# KiCad board WavetableController.kicad_pcb

Outline 165.1 x 101.6 mm; copper layers: Top, Bottom. Coordinates in mm from the lower left corner of the outline.
Outline path: 156.55,101.59 157,101.55 157.46,101.5 157.9,101.42 158.34,101.32 158.76,101.19 159.18,101.05 159.59,100.89 159.99,100.71 160.38,100.51 160.76,100.29 161.12,100.06 161.48,99.81 161.82,99.54 162.15,99.26 162.46,98.96 162.76,98.65 163.04,98.32 163.31,97.98 163.56,97.62 163.79,97.26 164.01,96.88 164.21,96.49 164.39,96.09 164.55,95.68 164.69,95.26 164.82,94.84 164.92,94.4 165,93.96 165.05,93.5 165.09,93.05 165.1,92.58 165.1,9.02 165.09,8.55 165.05,8.1 165,7.64 164.92,7.2 164.82,6.76 164.69,6.34 164.55,5.92 164.39,5.51 164.21,5.11 164.01,4.72 163.79,4.34 163.56,3.98 163.31,3.62 163.04,3.28 162.76,2.95 162.46,2.64 162.15,2.34 161.82,2.06 161.48,1.79 161.12,1.54 160.76,1.31 160.38,1.09 159.99,0.89 159.59,0.71 159.18,0.55 158.76,0.41 158.34,0.28 157.9,0.18 157.46,0.1 157,0.05 156.55,0.01 156.08,0 9.02,0 8.55,0.01 8.1,0.05 7.64,0.1 7.2,0.18 6.76,0.28 6.34,0.41 5.92,0.55 5.51,0.71 5.11,0.89 4.72,1.09 4.34,1.31 3.98,1.54 3.62,1.79 3.28,2.06 2.95,2.34 2.64,2.64 2.34,2.95 2.06,3.28 1.79,3.62 1.54,3.98 1.31,4.34 1.09,4.72 0.89,5.11 0.71,5.51 0.55,5.92 0.41,6.34 0.28,6.76 0.18,7.2 0.1,7.64 0.05,8.1 0.01,8.55 0,9.02 0,92.58 0.01,93.05 0.05,93.5 0.1,93.96 0.18,94.4 0.28,94.84 0.41,95.26 0.55,95.68 0.71,96.09 0.89,96.49 1.09,96.88 1.31,97.26 1.54,97.62 1.79,97.98 2.06,98.32 2.34,98.65 2.64,98.96 2.95,99.26 3.28,99.54 3.62,99.81 3.98,100.06 4.34,100.29 4.72,100.51 5.11,100.71 5.51,100.89 5.92,101.05 6.34,101.19 6.76,101.32 7.2,101.42 7.64,101.5 8.1,101.55 8.55,101.59 9.02,101.6 156.08,101.6 closed
Stack: Top 0.035mm / dielectric 1.51mm FR4 er 4.5 / Bottom 0.035mm

## Placement (name value [footprint] x y rotation side)
A1  Electrosmith_Daisy_Seed_Rev4  [Electrosmith_Daisy_Seed_Cuz]  25.88 17.19 270 bottom
C1  100NF  [C_0603_1608Metric]  119.16 68.47 270 bottom
C2  470NF  [C_0603_1608Metric]  122.92 10.45 180 bottom
C3  470NF  [C_0603_1608Metric]  124.96 6.03 0 bottom
C4  100NF  [C_0603_1608Metric]  122.92 8.95 0 bottom
C5  100NF  [C_0603_1608Metric]  112.26 4.4 90 bottom
C6  100UF  [CP_Elec_6.3x7.7]  147.17 22.75 180 bottom
C7  100UF  [CP_Elec_6.3x7.7]  157.12 22.75 180 bottom
C8  100NF  [C_0603_1608Metric]  108.92 9.7 180 bottom
C9  2.2UF  [C_0603_1608Metric]  106.42 6.45 90 bottom
C10  470NF  [C_0603_1608Metric]  96.5 7.81 0 bottom
C11  100NF  [C_0603_1608Metric]  94.85 6.21 0 bottom
C12  4.7UF  [C_0603_1608Metric]  104.17 4.7 180 bottom
C13  2.2UF  [C_0603_1608Metric]  108.92 8.2 180 bottom
C14  100NF  [C_0603_1608Metric]  55.67 74.7 0 bottom
C15  100UF  [CP_Elec_6.3x7.7]  42.42 70.2 180 bottom
C16  100NF  [C_0603_1608Metric]  44.42 64.7 180 bottom
C17  100UF  [CP_Elec_6.3x7.7]  33.67 57.95 180 bottom
C18  100UF  [CP_Elec_6.3x7.7]  31.92 46.95 180 bottom
C19  100UF  [CP_Elec_6.3x7.7]  53.17 58.2 0 bottom
C20  100UF  [CP_Elec_6.3x7.7]  60.92 52.45 0 bottom
C21  100UF  [CP_Elec_6.3x7.7]  58.17 39.7 0 bottom
C22  100UF  [CP_Elec_6.3x7.7]  43.87 43.2 180 bottom
C23  100NF  [C_Axial_L3.8mm_D2.6mm_P7.50mm_Horizontal]  109.67 76.45 180 bottom
C24  100UF  [CP_Radial_D6.3mm_P2.50mm]  102.17 72.45 270 bottom
C25  10UF  [C_0805_2012Metric_Pad1.18x1.45mm_HandSolder]  103.92 34.7 180 bottom
C26  22UF  [C_0805_2012Metric_Pad1.18x1.45mm_HandSolder]  103.92 46.2 180 bottom
D1  D_Schottky  [D_SOD-323]  126.47 84.77 0 bottom
D2  D_Schottky  [D_SOD-323]  54.92 84.7 90 bottom
D3  D_Schottky  [D_SOD-323]  52.17 81.95 180 bottom
D4  D_Schottky  [D_SOD-323]  50.17 77.95 180 bottom
D5  D_Schottky  [D_SOD-323]  52.42 84.65 270 bottom
D6  D_Schottky  [D_SOD-323]  44.17 62.45 0 bottom
ENCL1  RotaryEncoder_Switch  [RotaryEncoder_Alps_Vertical_H20mm]  18.42 62.95 90 top
ENCR1  RotaryEncoder_Switch  [RotaryEncoder_Alps_Vertical_H20mm]  142.17 62.95 90 top
FB2  FerriteBead  [D_0603_1608Metric]  108.17 5.95 90 bottom
FB3  FerriteBead  [D_0603_1608Metric]  52.42 74.7 180 bottom
FB4  FerriteBead  [D_0603_1608Metric]  49.17 74.7 180 bottom
FB5  FerriteBead  [D_0603_1608Metric]  45.92 74.7 180 bottom
FB6  FerriteBead  [D_0603_1608Metric]  40.63 62.45 180 bottom
FB7  FerriteBead  [D_0603_1608Metric]  108.38 34.7 180 bottom
Headphones1  B10k Dual  [DualGang_Headphone_PTD902-2015K-B103]  135.17 16.2 90 bottom
J1  Barrel_Jack  [Retroactive_SMDBarrelJack_CLIFF]  60.32 94.05 270 bottom
J3  MIDI OUTPUT  [Jack_3.5mm_CUI_RetroactiveCustom]  105.92 97.45 0 bottom
J4  AUDIO INPUT  [Jack_3.5mm_CUI_RetroactiveCustom]  90.77 97.45 0 bottom
J5  AUDIO OUTPUT  [Jack_3.5mm_CUI_RetroactiveCustom]  75.82 97.4 0 bottom
J6  MIDI INPUT  [Jack_3.5mm_CUI_RetroactiveCustom]  120.92 97.45 0 bottom
J7  PHONES  [Jack_3.5mm_CUI_RetroactiveCustom]  149.42 5.7 180 bottom
J8  NHD-2.7-12864WDW3  [Newhaven2.7_OLED]  106.68 81.4 270 top
L1  2.2UH DFE201610P-2R2M=P2  [L_0805_2012Metric]  109.67 43.2 180 bottom
LED1  CLS6B-FKW  [LED_RGB_5050-6_Retroactive Pin Out]  57.42 25.95 0 top
LED2  CLS6B-FKW  [LED_RGB_5050-6_Retroactive Pin Out]  107.43 26 0 top
MK1  Microphone_Condenser  [POM-2244P-C3310-2-R]  81.38 26.7 0 top
P1  Micro_SD_Card_Det2  [microSD_HC_Hirose_DM3AT-SF-PEJM5]  9.14 29.73 0 bottom
P2  USB_C31-S-RA-CS2-SMT-BK-T/R  [USB_C_Receptacle_GCT_USB4105-xx-A_16P_TopMnt_Horizontal]  34.17 98.62 0 bottom
Q1  MMBT3904  [SOT-23]  41.92 37.45 0 bottom
Q2  MMBT3904  [SOT-23]  51.12 37.89 0 bottom
Q3  MMBT3904  [SOT-23]  67.62 26.89 90 bottom
Q4  MMBT3904  [SOT-23]  83.17 39.95 0 bottom
Q5  MMBT3904  [SOT-23]  80.11 34.4 0 bottom
Q6  MMBT3904  [SOT-23]  75.11 30 0 bottom
R1  10R  [R_0603_1608Metric]  110.99 87.83 90 bottom
R2  0R  [R_0603_1608Metric]  116.72 81.16 0 bottom
R3  0R  [R_0603_1608Metric]  126.72 86.67 0 bottom
R4  33R  [R_1210_3225Metric_Pad1.30x2.65mm_HandSolder]  113.92 67.95 180 bottom
R5  220R  [R_0603_1608Metric]  124.61 81.13 0 bottom
R6  270R  [R_0603_1608Metric]  117.42 70.7 180 bottom
R7  47K  [R_0603_1608Metric]  4.17 13.7 90 bottom
R8  47K  [R_0603_1608Metric]  5.67 13.7 90 bottom
R9  47K  [R_0603_1608Metric]  9.67 17.62 90 bottom
R10  47K  [R_0603_1608Metric]  11.17 17.62 90 bottom
R11  47K  [R_0603_1608Metric]  12.67 17.7 90 bottom
R12  22K  [R_0603_1608Metric]  115.74 10.43 180 bottom
R13  22K  [R_0603_1608Metric]  124.92 4.45 180 bottom
R14  33K  [R_0603_1608Metric]  114.92 5.7 270 bottom
R15  33K  [R_0603_1608Metric]  124.92 2.95 0 bottom
R16  5K1  [R_0603_1608Metric]  32.92 90.45 270 bottom
R17  5K1  [R_0603_1608Metric]  35.92 90.62 270 bottom
R18  100K  [R_0603_1608Metric]  96.56 12.92 0 bottom
R19  150K  [R_0603_1608Metric]  96.58 11.42 0 bottom
R20  2K2  [R_0603_1608Metric]  94.92 9.7 0 bottom
R21  300R  [R_0603_1608Metric]  63.67 32.2 90 bottom
R22  10k  [R_0603_1608Metric]  145.34 16.2 0 bottom
R23  10k  [R_0603_1608Metric]  155.17 16.2 180 bottom
R24  300R  [R_0603_1608Metric]  59.92 32.2 90 bottom
R25  300R  [R_0603_1608Metric]  56.17 32.2 90 bottom
R26  300R  [R_0603_1608Metric]  112.92 31.95 90 bottom
R27  300R  [R_0603_1608Metric]  109.17 31.95 90 bottom
R28  300R  [R_0603_1608Metric]  106.42 31.95 90 bottom
R29  3.3R  [R_2512_6332Metric_Pad1.40x3.35mm_HandSolder]  34.17 65.95 180 bottom
R30  3.3R  [R_2512_6332Metric_Pad1.40x3.35mm_HandSolder]  40.92 51.45 180 bottom
R31  3.3R  [R_2512_6332Metric_Pad1.40x3.35mm_HandSolder]  51.42 52.45 0 bottom
R32  3.3R  [R_2512_6332Metric_Pad1.40x3.35mm_HandSolder]  51.42 48.2 180 bottom
R33  100K  [R_0603_1608Metric]  106.17 43.2 0 bottom
R35  1K  [R_0603_1608Metric]  72.67 25.12 90 bottom
R36  1K  [R_0603_1608Metric]  70.42 22.95 90 bottom
R37  1K  [R_0603_1608Metric]  68.17 20.95 90 bottom
R38  1K  [R_0603_1608Metric]  74.92 24.37 90 bottom
R39  1K  [R_0603_1608Metric]  76.92 24.45 90 bottom
R40  1K  [R_0603_1608Metric]  78.92 24.45 90 bottom
SW1  Power ON/OFF  [DigiKey_1101A4VQEA_SPDT_Vertical_SlideSwitch]  46.14 99.94 0 bottom
TAC_SHIFT_L1  SW_Push  [Retroactive_90DegSW_Tactile]  25.17 96.52 180 bottom
TAC_SHIFT_R1  SW_Push  [Retroactive_90DegSW_Tactile]  144.92 96.77 180 bottom
TAC_SWITCH_1  SW_MEC_5E  [Retroactive_THT_TACTSW_6mm_H9.5mm]  37.92 30.95 0 top
TAC_SWITCH_2  SW_MEC_5E  [Retroactive_THT_TACTSW_6mm_H9.5mm]  120.92 30.95 0 top
U1  H11L1  [SOP-6_3.8x4.1mm_P2.54mm(RetroactiveCustom)]  121.92 75.45 180 bottom
U2  USBLC6-2P6  [SOT-666]  33.67 85.95 180 bottom
U3  TPA6110A2DGN  [HVSSOP-8-1EP_3x3mm_P0.65mm_EP1.57x1.89mm]  120.06 3.92 180 bottom
U4  MAX9814  [DFN-14-1EP_3x3mm_P0.4mm_EP1.78x2.35mm]  101.12 7.42 180 bottom
U6  TPS62172DSG  [WSON-8-1EP_2x2mm_P0.5mm_EP0.9x1.6mm_ThermalVias]  107.31 39.74 90 bottom

## Library data of the parts
A1 = -: Datasheet: https://static1.squarespace.com/static/58d03fdc1b10e3bf442567b8/t/6227e6236f02fb68d1577146/1646781988478/Daisy_Seed_datasheet_v1.0.3.pdf; Description: Daisy is an embedded platform for music.; ki_fp_filters: Electrosmith*Daisy*Seed*
C1-C5 C8-C14 C16 C23 C25 C26 = -: Description: Unpolarized capacitor; ki_fp_filters: C_*
C6 C7 C15 C17-C22 C24 = -: Description: capacitor, US symbol; ki_fp_filters: C_*
D1-D6 = -: Description: Schottky diode; ki_fp_filters: TO-???* *_Diode_* *SingleDiode* D_*
ENCL1 ENCR1 = -: Description: Rotary encoder, dual channel, incremental quadrate outputs, with switch; ki_fp_filters: RotaryEncoder*Switch*
FB2-FB7 = -: Description: Ferrite bead; ki_fp_filters: Inductor_* L_* *Ferrite*
Headphones1 = -: Description: Dual potentiometer; ki_fp_filters: Potentiometer*
J1 = -: Description: DC Barrel Jack; ki_fp_filters: BarrelJack*
J3-J7 = -: Description: Audio Jack, 3 Poles (Stereo / TRS); ki_fp_filters: Jack*
J8 = -: Description: Generic connector, single row, 01x20, script generated; ki_fp_filters: Connector*:*_1x??_*
L1 = -: Description: Inductor with iron core; ki_fp_filters: Choke_* *Coil* Inductor_* L_*
LED1 LED2 = -: Datasheet: https://www.cree.com/led-components/media/documents/CLS6B-FKW.pdf; Description: Cree PLCC6 3 in 1 SMD LED, PLCC-6; ki_fp_filters: LED*Cree*PLCC*4.7x1.5mm*
MK1 = -: Description: Condenser microphone
P1 = -: Datasheet: https://www.hirose.com/en/product/document?clcode=&productname=&series=DM3&documenttype=Catalog&lang=en&documentid=D49662_en; Description: Micro SD Card Socket with two card detection pins; ki_fp_filters: microSD*
P2 = -: Datasheet: https://www.usb.org/sites/default/files/documents/usb_type-c.zip; Description: USB Full-Featured Type-C Receptacle connector; ki_fp_filters: USB*C*Receptacle*
Q1-Q6 = -: Datasheet: https://www.onsemi.com/pdf/datasheet/pzt3904-d.pdf; Description: 0.2A Ic, 40V Vce, Small Signal NPN Transistor, SOT-23; ki_fp_filters: SOT?23*
R1-R33 R35-R40 = -: Description: Resistor; ki_fp_filters: R_*
SW1 = -: Description: Single Pole Single Throw (SPST) switch
TAC_SHIFT_L1 TAC_SHIFT_R1 = -: Description: Push button switch, generic, two pins
TAC_SWITCH_1 TAC_SWITCH_2 = -: Datasheet: http://www.apem.com/int/index.php?controller=attachment&id_attachment=1371; Description: MEC 5E single pole normally-open tactile switch; ki_fp_filters: SW*MEC*5G*
U1 = -: Datasheet: https://www.onsemi.com/pub/Collateral/H11L3M-D.PDF; Description: Schmitt Trigger Output Optocoupler, High Speed, DIP-6, 1.6mA turn on threshold; ki_fp_filters: DIP*W7.62mm* DIP*W10.16mm* SMDIP*W9.53mm*
U2 = -: Datasheet: https://www.st.com/resource/en/datasheet/usblc6-2.pdf; Description: Very low capacitance ESD protection diode, 2 data-line, SOT-666; ki_fp_filters: SOT?666*
U3 = -: Datasheet: https://www.ti.com/lit/ds/symlink/tpa6110a2.pdf; Description: 150-mW Stereo Audio Power Amplifier, HVSSOP; ki_fp_filters: HVSSOP*3x3mm*P0.65mm*
U4 = -: Datasheet: https://datasheets.maximintegrated.com/en/ds/MAX9814.pdf; Description: Microphone Amplifier with AGC and Low-Noise Microphone Bias, TDFN-14; ki_fp_filters: *DFN*EP*3x3mm*P0.4mm*
U6 = -: Datasheet: http://www.ti.com/lit/ds/symlink/tps62170.pdf; Description: 500mA Step-Down Converter with DCS-Control, fixed 3.3V output, 3-17V input voltage, WSON-8; ki_fp_filters: WSON*EP*2x2mm*P0.5mm*

## Footprints (pads in the part's own frame, mm; a bottom-side part is the same pattern mirrored in y, then rotated)
C_0603_1608Metric
  rrect 0.9x0.95 smd: 1(-0.775,0) 2(0.775,0)
C_0805_2012Metric_Pad1.18x1.45mm_HandSolder
  rrect 1.175x1.45 smd: 1(-1.038,0) 2(1.038,0)
C_Axial_L3.8mm_D2.6mm_P7.50mm_Horizontal
  round 1.6 hole 0.8: 1(0,0) 2(7.5,0)
CP_Elec_6.3x7.7
  rrect 3.5x1.6 smd: 1(-2.7,0) 2(2.7,0)
CP_Radial_D6.3mm_P2.50mm
  rrect 1.6x1.6 hole 0.8: 1(0,0)
  round 1.6 hole 0.8: 2(2.5,0)
D_0603_1608Metric
  rrect 0.875x0.95 smd: 1(-0.787,0) 2(0.787,0)
D_SOD-323
  rrect 0.6x0.45 smd: 1(-1.05,0) 2(1.05,0)
DFN-14-1EP_3x3mm_P0.4mm_EP1.78x2.35mm
  rect 0.7x0.97 smd: (-0.445,-0.588) (-0.445,0.588) (0.45,-0.588) (0.45,0.588)
  rect 0.7x0.25 smd: 1(-1.475,1.2) 2(-1.475,0.8) 3(-1.475,0.4) 4(-1.475,0) 5(-1.475,-0.4) 6(-1.475,-0.8) 7(-1.475,-1.2) 8(1.475,-1.2) 9(1.475,-0.8) 10(1.475,-0.4) 11(1.475,0) 12(1.475,0.4) 13(1.475,0.8) 14(1.475,1.2)
  rect 1.78x2.35 smd: 15(0,0)
DigiKey_1101A4VQEA_SPDT_Vertical_SlideSwitch
  round 2.5 hole 1.85: (-2.225,0) (2.225,0) 1(0,10.16) 2(0,13.97) 3(0,17.78)
DualGang_Headphone_PTD902-2015K-B103
  rrect 1.8x1.8 hole 1: 1(0,0)
  round 1.8 hole 1: 2(0,-2.5) 3(0,-5) 4(2.5,0) 5(2.5,-2.5) 6(2.5,-5)
Electrosmith_Daisy_Seed_Cuz
  rect 1.7x1.7 hole 1.1: 1(0,0)
  round 1.7 hole 1.1: 2(0,-2.54) 3(0,-5.08) 4(0,-7.62) 5(0,-10.16) 6(0,-12.7) 7(0,-15.24) 8(0,-17.78) 9(0,-20.32) 10(0,-22.86) 11(0,-25.4) 12(0,-27.94) 13(0,-30.48) 14(0,-33.02) 15(0,-35.56) 16(0,-38.1) 17(0,-40.64) 18(0,-43.18) 19(0,-45.72) 20(0,-48.26) 21(15.24,-48.26) 22(15.24,-45.72) 23(15.24,-43.18) 24(15.24,-40.64) 25(15.24,-38.1) 26(15.24,-35.56) 27(15.24,-33.02) 28(15.24,-30.48) 29(15.24,-27.94) 30(15.24,-25.4) 31(15.24,-22.86) 32(15.24,-20.32) 33(15.24,-17.78) 34(15.24,-15.24) 35(15.24,-12.7) 36(15.24,-10.16) 37(15.24,-7.62) 38(15.24,-5.08) 39(15.24,-2.54) 40(15.24,0)
HVSSOP-8-1EP_3x3mm_P0.65mm_EP1.57x1.89mm
  rrect 0.63x0.76 smd: (-0.39,-0.47) (-0.39,0.47) (0.39,-0.47) (0.39,0.47)
  rrect 1.45x0.5 smd: 1(-2.15,0.975) 2(-2.15,0.325) 3(-2.15,-0.325) 4(-2.15,-0.975) 5(2.15,-0.975) 6(2.15,-0.325) 7(2.15,0.325) 8(2.15,0.975)
  rect 1.57x1.89 smd: 9(0,0)
Jack_3.5mm_CUI_RetroactiveCustom
  round 1.2 hole 1.2 unplated: (-5,-2.5) (-5,0) (0,5) (5,-2.5) (5,0)
  oval 1.2x2.2 hole 0.4x1.4: R(-5,5) T(5,5)
  oval 1.6x2.3 hole 0.8x1.5: RN(-2.5,5)
  oval 2.2x1.2 hole 1.4x0.4: S(0,0)
  oval 1.6x2.5 hole 0.8x1.5: TN(2.5,5)
L_0805_2012Metric
  rrect 0.875x1.2 smd: 1(-1.062,0) 2(1.062,0)
LED_RGB_5050-6_Retroactive Pin Out
  rect 2x1.1 smd: 1(-2.4,1.7) 2(2.4,1.7) 3(-2.4,0) 4(2.4,0) 5(-2.4,-1.7) 6(2.4,-1.7)
microSD_HC_Hirose_DM3AT-SF-PEJM5
  rect 0.7x1.2 smd: 1(2.775,7.725) 2(1.675,7.725) 3(0.575,7.725) 4(-0.525,7.725) 5(-1.625,7.725) 6(-2.725,7.725) 7(-3.825,7.725) 8(-4.925,7.725) 9(-5.875,7.725)
  rect 1x0.8 smd: 10(-6.825,-2.775)
  rect 1x2.8 smd: 11(-6.825,-6.925)
  rect 1x1.2 smd: 11(-6.825,3.425) 11(4.325,7.725)
  rect 1.3x1.9 smd: 11(6.675,-7.375)
Newhaven2.7_OLED
  rect 1.7x1.7 hole 1: 1(0,0)
  round 1.7 hole 1: 2(0,-2.54) 3(0,-5.08) 4(0,-7.62) 5(0,-10.16) 6(0,-12.7) 7(0,-15.24) 8(0,-17.78) 9(0,-20.32) 10(0,-22.86) 11(0,-25.4) 12(0,-27.94) 13(0,-30.48) 14(0,-33.02) 15(0,-35.56) 16(0,-38.1) 17(0,-40.64) 18(0,-43.18) 19(0,-45.72) 20(0,-48.26)
POM-2244P-C3310-2-R
  rrect 1x1 hole 0.65: 1(0,0)
  round 1 hole 0.65: 2(1.9,0)
R_0603_1608Metric
  rrect 0.8x0.95 smd: 1(-0.825,0) 2(0.825,0)
R_1210_3225Metric_Pad1.30x2.65mm_HandSolder
  rrect 1.3x2.65 smd: 1(-1.55,0) 2(1.55,0)
R_2512_6332Metric_Pad1.40x3.35mm_HandSolder
  rrect 1.4x3.35 smd: 1(-3.05,0) 2(3.05,0)
Retroactive_90DegSW_Tactile
  round 2.2 hole 1.3: (-1.25,-2.5) (5.75,-2.5)
  round 1.7 hole 1: 1(0,0) 2(4.5,0)
Retroactive_SMDBarrelJack_CLIFF
  oval 1.5x2 hole 1.5x2 unplated: (-2.9,0)
  round 2 hole 2 unplated: (1.5,0)
  rect 2x3 smd: 1(-3,5.5) 1(3,5.5) 2(-3,-5.5) 3(3,-5.5)
Retroactive_THT_TACTSW_6mm_H9.5mm
  round 2 hole 1.1: 1(0,0) 2(0,-4.5) 3(6.5,-4.5) 4(6.5,0)
RotaryEncoder_Alps_Vertical_H20mm
  rect 2x2 hole 1: A(0,0)
  round 2 hole 1: B(0,-5) C(0,-2.5)
  rect 3.2x2 hole 2.8x1.5: MP(7.5,3.1) MP(7.5,-8.1)
  round 1.5 hole 1: S1(14.5,0) S2(14.5,-5)
SOP-6_3.8x4.1mm_P2.54mm(RetroactiveCustom)
  rrect 3x2 smd: 1(-3.58,2.33) 2(-3.56,0.02) 3(-3.58,-2.28) 4(3.62,-2.27) 5(3.62,0.02) 6(3.61,2.33)
SOT-23
  rrect 1.475x0.6 smd: 1(-0.938,0.95) 2(-0.938,-0.95) 3(0.938,0)
SOT-666
  rrect 0.5x0.375 smd: 1(-0.85,0.537) 3(-0.85,-0.537) 4(0.85,-0.537) 6(0.85,0.537)
  rrect 0.65x0.3 smd: 2(-0.925,0) 5(0.925,0)
USB_C_Receptacle_GCT_USB4105-xx-A_16P_TopMnt_Horizontal
  round 0.65 hole 0.65 unplated: (-2.89,2.605) (2.89,2.605)
  rrect 0.6x1.15 smd: A1(-3.2,3.68) A4(-2.4,3.68) A9(2.4,3.68) A12(3.2,3.68) B1(3.2,3.68) B4(2.4,3.68) B9(-2.4,3.68) B12(-3.2,3.68)
  rrect 0.3x1.15 smd: A5(-1.25,3.68) A6(-0.25,3.68) A7(0.25,3.68) A8(1.25,3.68) B5(1.75,3.68) B6(0.75,3.68) B7(-0.75,3.68) B8(-1.75,3.68)
  oval 1x1.8 hole 0.6x1.4: S1(-4.32,-1.075) S1(4.32,-1.075)
  oval 1x2.1 hole 0.6x1.7: S1(-4.32,3.105) S1(4.32,3.105)
WSON-8-1EP_2x2mm_P0.5mm_EP0.9x1.6mm_ThermalVias
  rect 0.75x0.65 smd: (0,-0.4) (0,0.4)
  rrect 0.5x0.25 smd: 1(-0.95,0.75) 2(-0.95,0.25) 3(-0.95,-0.25) 4(-0.95,-0.75) 5(0.95,-0.75) 6(0.95,-0.25) 7(0.95,0.25) 8(0.95,0.75)
  round 0.6 hole 0.25: 9(0,-0.5) 9(0,0.5)
  rect 0.9x1.6 smd far side: 9(0,0)
  rect 0.9x1.6 smd: 9(0,0)

## Nets
/+3V3_A: A1.21 C5.1 FB2.1 U3.6 U4.10
/+3V3_D: A1.38 C1.1 P1.4 R4.1 R6.2 R7.1 R8.1 R9.1 R10.1 R11.1 U1.6
/+3V3_OLED: C23.2 C24.1 C26.1 J8.2 L1.2 R33.2 U6.6
/+5V_USB: P2.A4 P2.A9 P2.B4 P2.B9 U2.5
/+9V_FLAG: C21.1 C22.1 FB7.1 R21.2 R24.2 R25.2 R26.2 R27.2 R28.2 R32.2
GND: A1.20 A1.40 C1.2 C4.2 C5.2 C8.1 C9.1 C10.1 C13.1 C14.2 C15.2 C16.2 C17.2 C18.2 C19.2 C20.2 C21.2 C22.2 C23.1 C24.2 C25.2 C26.2 D4.2 D5.2 ENCL1.C ENCL1.S2 ENCR1.C ENCR1.S2 Headphones1.3 Headphones1.6 J3.S J4.R J4.S J5.S J6.S J7.S J8.1 J8.5 J8.6 J8.10 J8.11 J8.12 J8.13 J8.14 J8.19 J8.20 MK1.1 P1.6 P1.9 P1.11 P2.A1 P2.A12 P2.B1 P2.B12 P2.S1 Q1.2 Q2.2 Q3.2 Q4.2 Q5.2 Q6.2 R16.2 R17.2 R18.1 R22.2 R23.1 TAC_SHIFT_L1.1 TAC_SHIFT_R1.1 TAC_SWITCH_1.2 TAC_SWITCH_1.3 TAC_SWITCH_2.2 TAC_SWITCH_2.3 U1.5 U2.2 U3.2 U3.3 U3.9 U4.4 U4.7 U4.9 U4.11 U4.15 U6.1 U6.4 U6.5 U6.9
/CS_SPI: A1.8 J8.17
/DC_SPI: A1.28 J8.4
/DSY_VIN: A1.39 C18.1 R30.2
/ENCL_A: A1.33 ENCL1.A
/ENCL_B: A1.32 ENCL1.B
/ENCL_CLICK: A1.22 ENCL1.S1
/ENCR_A: A1.12 ENCR1.A
/ENCR_B: A1.13 ENCR1.B
/ENCR_CLICK: A1.29 ENCR1.S1
/LED_1_B: A1.25 R37.1
/LED_1_G: A1.26 R35.1
/LED_1_R: A1.27 R36.1
/LED_2_B: A1.30 R40.1
/LED_2_G: A1.31 R38.1
/LED_2_R: A1.24 R39.1
/MIC_HOT: C11.1 MK1.2 R20.1
/MIDI_IN_RING: J6.R R2.1
/MIDI_IN_TIP: J6.T R3.1
/RES_SPI: A1.1 J8.16
/SCLK_SPI: A1.9 J8.7
/SD_CK: A1.7 P1.5
/SD_CMD: A1.6 P1.3 R9.2
/SD_D0: A1.5 P1.7 R8.2
/SD_D1: A1.4 P1.8 R7.2
/SD_D2: A1.3 P1.1 R11.2
/SD_D3: A1.2 P1.2 R10.2
/SD_IN_SPI: A1.11 J8.8
/SWA: P1.10
/TAC_SHIFT_L: A1.23 TAC_SHIFT_L1.2
/TAC_SHIFT_R: A1.10 TAC_SHIFT_R1.2
/TAC_SWITCH_1: A1.34 TAC_SWITCH_1.1 TAC_SWITCH_1.4
/TAC_SWITCH_2: A1.35 TAC_SWITCH_2.1 TAC_SWITCH_2.4
/USART1_RX: A1.15 R6.1 U1.4
/USART1_TX: A1.14 R1.1
/USB_IN_MCU_N: A1.36 U2.6
/USB_IN_MCU_P: A1.37 U2.4
/USB_IN_N: P2.A7 P2.B7 U2.1
/USB_IN_P: P2.A6 P2.B6 U2.3
AUDIO_IN_L: A1.16 J4.T
AUDIO_MIC_IN_R: A1.17 C12.2
AUDIO_OUT_L: A1.18 Headphones1.1 J5.T
AUDIO_OUT_R: A1.19 Headphones1.4 J5.R
HEADPHONE_OUT_L: C6.2 J7.T R22.1
HEADPHONE_OUT_R: C7.2 J7.R R23.2
Net-(C2-Pad1): C2.1 Headphones1.2
Net-(C2-Pad2): C2.2 R12.1
Net-(C3-Pad1): C3.1 Headphones1.5
Net-(C3-Pad2): C3.2 R13.1
Net-(C17-Pad1): C17.1 R29.2 R30.1
Net-(C19-Pad1): C19.1 FB6.2 R29.1 R31.1
Net-(C20-Pad1): C20.1 R31.2 R32.1
Net-(D1-A): D1.2 R3.2 U1.2
Net-(D1-K): D1.1 R5.2 U1.1
Net-(D2-A): D2.2 D5.1 J1.1
Net-(D2-K): C14.1 D2.1 D3.1 FB3.1
Net-(D3-A): D3.2 D4.1 SW1.2
Net-(D6-A): C15.1 C16.1 D6.2 FB5.2
Net-(D6-K): D6.1 FB6.1
Net-(FB3-Pad2): FB3.2 FB4.1
Net-(FB4-Pad2): FB4.2 FB5.1
Net-(J3-PadR): J3.R R4.2
Net-(J3-PadT): J3.T R1.2
Net-(LED1-AB): LED1.5 Q3.3
Net-(LED1-AG): LED1.3 Q2.3
Net-(LED1-AR): LED1.1 Q1.3
Net-(LED1-KB): LED1.6 R25.1
Net-(LED1-KR-Pad2): LED1.2 R21.1
Net-(LED1-KR-Pad4): LED1.4 R24.1
Net-(LED2-AB): LED2.5 Q6.3
Net-(LED2-AG): LED2.3 Q5.3
Net-(LED2-AR): LED2.1 Q4.3
Net-(LED2-KB): LED2.6 R28.1
Net-(LED2-KR-Pad2): LED2.2 R26.1
Net-(LED2-KR-Pad4): LED2.4 R27.1
Net-(P2-CC1): P2.A5 R16.1
Net-(P2-CC2): P2.B5 R17.1
Net-(Q1-B): Q1.1 R37.2
Net-(Q2-B): Q2.1 R36.2
Net-(Q3-B): Q3.1 R35.2
Net-(Q4-B): Q4.1 R40.2
Net-(Q5-B): Q5.1 R39.2
Net-(Q6-B): Q6.1 R38.2
Net-(R2-Pad2): R2.2 R5.1
Net-(SW1-A): J1.2 SW1.1
Net-(U3-BYPASS): C4.1 U3.1
Net-(U3-IN1-): R12.2 R14.1 U3.8
Net-(U3-IN2-): R13.2 R15.1 U3.4
Net-(U3-VO1): C6.1 R14.2 U3.7
Net-(U3-VO2): C7.1 R15.2 U3.5
Net-(U4-BIAS): C10.2 U4.12
Net-(U4-CG): C9.2 U4.3
Net-(U4-CT): C8.2 U4.1
Net-(U4-MICBIAS): R19.1 R20.2 U4.13
Net-(U4-MICIN): C11.2 U4.8
Net-(U4-MICOUT): C12.1 U4.6
Net-(U4-TH): R18.2 R19.2 U4.14
Net-(U4-VDD): C13.2 FB2.2 U4.2 U4.5
Net-(U6-EN): C25.1 FB7.2 U6.2 U6.3
Net-(U6-PG): R33.1 U6.8
Net-(U6-SW): L1.1 U6.7

Pads without a net: ENCL1 MP; ENCR1 MP; J1 3; J3 RN TN; J4 RN TN; J5 RN TN; J6 RN TN; J7 RN TN; J8 3 9 15 18; P2 A8 B8; SW1 3; U1 3

## Via types
v1: diameter 0.6, hole 0.3, Top to Bottom, 244 vias

## Routing (per net, layer and track width the routed paths; a pad name or vN(x,y) marks a point on that pad's centre or on a via; arc(x,y) is an arc through that point)
/+3V3_A: length 50.8
  Top w0.5: A1.21 75.82,3.63 v1(98.17,3.63) v1(108.17,3.63)
  Bottom w0.1: v1(98.17,3.63) 98.17,6.95 98.24,7.02 U4.10
  Bottom w0.2: 112.29,3.59 C5.1
  Bottom w0.3: U3.6 112.29,3.59
  Bottom w0.5: FB2.1 v1(108.17,3.63) C5.1
/+3V3_D: length 249.4
  Top w0.3: v1(118.92,58.7) 119.42,59.2 119.42,63.95 122.17,66.7 v1(122.17,68.45) ; v1(62.67,58.7) 3.67,58.7 1.42,56.45 1.42,13.7 v1(2.17,12.95) 2.17,11.6 13.17,0.6 29.61,0.6 A1.38 ; v1(100.17,58.7) v1(112.92,58.7) ; v1(67.92,58.7) v1(87.67,58.7)
  Bottom w0.2: R4.1 115.47,68.07
  Bottom w0.3: R6.2 116.59,69.77 117.12,69.25 C1.1 ; R6.2 116.67,70.62 ; R6.2 115.67,70.7 115.42,70.95 ; v1(62.67,58.7) v1(67.92,58.7) ; R4.1 115.47,70.9 115.42,70.95 ; P1.4 8.67,21.95 8.67,16.8 ; v1(112.92,58.7) v1(118.92,58.7) ; 8.67,16.8 R9.1 R10.1 12.59,16.8 R11.1 ; 8.67,16.8 8.67,13.45 8.09,12.87 R8.1 R7.1 2.24,12.87 v1(2.17,12.95) ; 115.42,70.95 115.42,76.95 116.25,77.78 U1.6 ; v1(122.17,68.45) 122.17,69.2 121.92,69.45 119.36,69.45 C1.1 ; v1(87.67,58.7) v1(100.17,58.7) ; C1.1 119.13,69.27
/+3V3_OLED: length 54.6
  Top w0.5: C23.2 C24.1
  Bottom w0.2: R33.2 106.99,40.75 U6.6 ; R33.2 106.94,43.25 ; R33.2 L1.2
  Bottom w0.5: 106.94,77.17 106.22,76.45 C23.2 ; 106.94,77.17 106.94,46.2 ; 106.94,77.17 104.14,79.98 J8.2 ; C26.1 106.94,46.2 ; 106.94,46.2 106.94,43.25
/+5V_USB: length 20.1
  Bottom w0.3: P2.A9 36.57,95.48 35.17,96.88 35.17,98.2 34.67,98.7 33.42,98.7 32.92,98.2 32.92,96.63 31.77,95.48 P2.A4 31.77,86.05 31.87,85.95 U2.5
/+9V_FLAG: length 82.1
  Top w0.5: v1(67.92,33.2) v1(104.17,33.2)
  Bottom w0.5: R27.2 R26.2 ; R27.2 R28.2 105.99,33.2 v1(104.17,33.2) ; R27.2 109.17,34.7 FB7.1 ; v1(67.92,33.2) 67.42,33.2 67.24,33.02 R21.2 R24.2 ; R24.2 R25.2 56.17,39 C21.1 51.97,43.2 C22.1 48.37,45 R32.2 ; R24.2 59.84,32.95
GND: length 26.4
  Bottom w0.1: U4.9 100.32,6.62 U4.15 ; U4.11 U4.15 ; U4.15 U4.4 ; U6.9 109.13,39.74 109.33,39.54 109.33,38.79 U6.1 ; U4.7 102.6,5.63 102.17,5.2 ; U6.5 104.93,40.69 104.92,40.7 ; U6.9 105.71,39.74 105.51,39.54 105.51,38.79 U6.4
  Bottom w0.2: 144.67,65.7 ENCR1.C 144.67,59.95
  Bottom w0.3: U2.2 37.92,85.95 ; U3.3 U3.2 120.38,4.24 U3.9
/CS_SPI: length 88.5
  Top w0.3: v1(41.67,27.2) 41.67,19.18 A1.8 ; J8.17 66.04,30.32 65.67,29.95 53.78,29.95 53.53,29.7 53.46,29.7 52.96,29.2 42.02,29.2 v1(41.67,28.85)
  Bottom w0.3: v1(41.67,27.2) v1(41.67,28.85)
/DC_SPI: length 123.8
  Top w0.3: v1(100.92,25.45) v1(100.92,30.2) ; J8.4 99.06,39.81 v1(100.92,37.95) ; v1(101.42,18.45) 100.17,17.2 v1(91.92,17.2) ; v1(73.17,4.7) 90.92,4.7 91.92,5.7 v1(91.92,13.95)
  Bottom w0.3: v1(100.92,30.2) v1(100.92,37.95) ; v1(101.42,18.45) 100.92,18.95 v1(100.92,25.45) ; v1(91.92,13.95) v1(91.92,17.2) ; v1(73.17,4.7) 72.92,4.45 56.67,4.45 56.36,4.14 A1.28
/DSY_VIN: length 77.2
  Top w0.5: A1.39 28.42,4.2 27.42,5.2 18.17,5.2 17.17,6.2 v1(17.17,14.2) ; v1(17.17,27.95) 17.17,40.61 18.76,42.2 v1(34.17,42.2)
  Bottom w0.5: v1(34.17,42.2) 34.62,42.65 C18.1 37.87,50.2 R30.2 ; v1(17.17,27.95) v1(17.17,14.2)
/ENCL_A: length 80.1
  Top w0.3: v1(21.42,31.95) v1(21.42,41.2) ; v1(31.67,8.95) 21.92,8.95 21.42,9.45 v1(21.42,14.2) ; v1(21.42,44.2) 21.42,49.45 18.42,52.45 v1(18.42,57.95)
  Bottom w0.3: v1(21.42,41.2) v1(21.42,44.2) ; v1(31.67,8.95) 36.66,8.95 A1.33 ; v1(18.42,57.95) ENCL1.A ; v1(21.42,14.2) v1(21.42,31.95)
/ENCL_B: length 80.2
  Top w0.3: v1(31.67,10.2) 22.67,10.2 22.42,10.45 v1(22.42,14.2) ; v1(22.42,43.95) v1(22.42,57.7) ; v1(22.42,31.95) v1(22.42,41.2)
  Bottom w0.3: A1.32 37.95,10.2 v1(31.67,10.2) ; v1(22.42,14.2) v1(22.42,31.95) ; ENCL1.B 23.42,58.7 v1(22.42,57.7) ; v1(22.42,41.2) v1(22.42,43.95)
/ENCL_CLICK: length 170.6
  Top w0.3: A1.22 71.6,7.13 71.92,7.45 78.42,7.45 v1(84.42,13.45) ; v1(84.67,20.3) 84.67,20.45 96.67,20.45 v1(97.92,21.7) ; v1(64.42,39.2) 63.92,39.7 63.92,73.7 62.92,74.7 21.17,74.7 ENCL1.S1 ; v1(97.92,25.7) 94.92,28.7 72.42,28.7 71.67,29.45 v1(71.67,29.95)
  Bottom w0.3: v1(71.67,29.95) 71.67,36.7 69.17,39.2 v1(64.42,39.2) ; v1(97.92,21.7) v1(97.92,25.7) ; v1(84.67,20.3) 84.67,13.7 v1(84.42,13.45)
/ENCR_A: length 140.7
  Top w0.2: v1(65.17,36.2) 63.17,34.2 63.07,34.3 54.52,34.3 53.67,33.45 v1(47.67,33.45)
  Top w0.3: v1(47.67,27.2) 47.67,23.34 A1.12 ; v1(139.17,36.2) 141.17,36.2 142.17,37.2 ENCR1.A ; v1(87.67,36.2) 67.97,36.2 v1(67.92,36.25) ; v1(92.17,36.2) v1(135.92,36.2)
  Bottom w0.3: v1(67.92,36.25) 67.87,36.2 v1(65.17,36.2) ; v1(135.92,36.2) v1(139.17,36.2) ; v1(47.67,33.45) v1(47.67,27.2) ; v1(87.67,36.2) v1(92.17,36.2)
/ENCR_B: length 146.2
  Top w0.2: v1(65.17,37.2) 62.92,34.95 62.92,34.75 53.97,34.75 53.42,34.2 v1(48.67,34.2)
  Top w0.3: v1(48.67,27.45) 48.67,23.45 53.17,18.95 54.6,18.95 A1.13 ; v1(143.17,37.2) 146.42,37.2 147.17,37.95 ENCR1.B ; v1(67.92,37.2) v1(88.17,37.2) ; v1(92.17,37.2) v1(135.92,37.2)
  Bottom w0.3: v1(88.17,37.2) v1(92.17,37.2) ; v1(48.67,27.45) v1(48.67,34.2) ; v1(65.17,37.2) v1(67.92,37.2) ; v1(135.92,37.2) v1(143.17,37.2)
/ENCR_CLICK: length 190.6
  Top w0.3: v1(73.67,5.7) 90.42,5.7 90.67,5.95 v1(90.67,13.95) ; v1(99.92,20.45) v1(101.92,20.45) ; v1(105.92,20.45) v1(118.42,20.45) ; v1(99.92,18.2) 99.67,17.95 v1(90.92,17.95) ; v1(120.42,20.45) 153.42,20.45 154.67,21.7 v1(154.67,78.95)
  Bottom w0.3: v1(90.67,13.95) 90.67,17.7 v1(90.92,17.95) ; v1(99.92,18.2) v1(99.92,20.45) ; v1(73.67,5.7) 55.42,5.7 54.92,5.2 53.92,5.2 53.67,4.95 53.67,2.1 A1.29 ; ENCR1.S1 144.92,80.2 153.42,80.2 v1(154.67,78.95) ; v1(118.42,20.45) v1(120.42,20.45) ; v1(101.92,20.45) v1(105.92,20.45)
/LED_1_B: length 44.6
  Top w0.2: A1.25 63.98,10.51 64.41,10.94 v1(65.42,10.94) ; v1(79.92,20.45) 79.42,19.95 v1(70.17,19.95) ; v1(79.82,13.7) 79.82,13.6 77.32,11.1 v1(67.13,11.1)
  Bottom w0.2: v1(79.82,13.7) 79.92,13.8 v1(79.92,20.45) ; v1(67.13,11.1) 66.97,10.94 v1(65.42,10.94) ; R37.1 69.99,20.12 v1(70.17,19.95)
/LED_1_G: length 47.8
  Top w0.2: A1.26 61.44,8.97 61.9,9.43 v1(63.38,9.43) ; v1(81.67,20.45) 81.67,20.95 80.67,21.95 v1(73.42,21.95) ; v1(67.17,9.5) 77.47,9.5 v1(81.67,13.7)
  Bottom w0.2: v1(67.17,9.5) 63.46,9.5 v1(63.38,9.43) ; v1(73.42,21.95) 72.67,22.7 R35.1 ; v1(81.67,20.45) v1(81.67,13.7)
/LED_1_R: length 48.9
  Top w0.2: v1(80.67,13.7) 77.27,10.3 v1(67.18,10.3) ; v1(63.17,10.2) 62.92,9.95 59.42,9.95 58.9,9.43 A1.27 ; v1(71.42,21.2) 80.17,21.2 80.72,20.65 v1(80.72,20.45)
  Bottom w0.2: v1(67.18,10.3) 63.27,10.3 v1(63.17,10.2) ; v1(80.72,20.45) 80.72,13.75 v1(80.67,13.7) ; R36.1 71.34,21.2 v1(71.42,21.2)
/LED_2_B: length 48.1
  Top w0.2: v1(67.42,11.85) 77.22,11.85 79.02,13.65 v1(79.02,13.7) ; v1(65.67,11.7) 51.67,11.7 51.29,11.32 51.28,11.34 A1.30
  Bottom w0.2: R40.1 78.92,17.45 78.95,17.42 v1(78.95,16.96) 78.92,16.92 78.92,13.8 v1(79.02,13.7) ; v1(65.67,11.7) 65.82,11.85 v1(67.42,11.85)
/LED_2_G: length 50.5
  Top w0.2: 77.47,16.2 v1(77.42,16.25) ; A1.31 48.74,12.27 49.42,12.95 76.67,12.95 v1(77.42,13.7)
  Bottom w0.2: R38.1 74.92,19.2 77.42,16.7 v1(77.42,16.25) v1(77.42,13.7)
/LED_2_R: length 33
  Top w0.2: v1(78.22,13.7) 78.22,13.65 77.02,12.45 66.92,12.45 66.52,12.05 A1.24
  Bottom w0.2: R39.1 76.92,18.2 78.17,16.95 v1(78.17,16.8) 78.17,13.75 v1(78.22,13.7)
/MIC_HOT: length 31.9
  Top w0.3: v1(92.92,9.2) v1(92.92,6.45)
  Bottom w0.3: MK1.2 91.92,26.7 94.09,24.52 R20.1 93.42,9.7 v1(92.92,9.2) ; C11.1 93.16,6.21 v1(92.92,6.45)
/MIDI_IN_RING: length 11.3
  Bottom w0.3: R2.1 115.9,92.43 J6.R
/MIDI_IN_TIP: length 5.8
  Bottom w0.3: J6.T 125.9,92.43 R3.1
/RES_SPI: length 104.9
  Top w0.3: v1(26.17,28.2) 52.67,28.2 53.67,29.2 66.42,29.2 66.67,29.45 66.67,76.95 68.58,78.86 J8.16
  Bottom w0.3: v1(26.17,28.2) 25.88,27.91 A1.1
/SCLK_SPI: length 112.3
  Top w0.3: v1(67.92,34.45) 89.92,34.45 91.44,35.97 J8.7 ; v1(42.42,31.7) 43.42,32.7 63.42,32.7 64.67,33.95 v1(65.17,33.95) ; v1(42.43,27.45) 42.43,20.96 A1.9
  Bottom w0.3: v1(67.92,34.45) 65.67,34.45 v1(65.17,33.95) ; v1(42.43,27.45) 42.43,29.94 42.42,29.95 v1(42.42,31.7)
/SD_CK: length 37.3
  Top w0.3: v1(40.42,19.45) 40.17,19.45 39.54,20.07 8.04,20.07 v1(7.67,20.45)
  Bottom w0.3: v1(40.42,19.45) 41.12,18.75 A1.7 ; P1.5 7.67,21.85 v1(7.67,20.45)
/SD_CMD: length 43
  Top w0.3: v1(34.17,27.2) v1(13.17,27.2)
  Bottom w0.3: R9.2 9.71,18.49 P1.3 9.71,23.74 v1(13.17,27.2) ; v1(34.17,27.2) 35.42,25.95 35.42,20.35 A1.6
/SD_D0: length 48.6
  Top w0.2: v1(5.67,15.7) 5.67,15.95 5.42,16.2 5.42,20.34 v1(5.31,20.45)
  Top w0.3: v1(32.17,26.2) v1(7.17,26.2)
  Bottom w0.2: R8.2 v1(5.67,15.7)
  Bottom w0.3: A1.5 34.42,18.81 34.42,24.7 32.92,26.2 v1(32.17,26.2) ; v1(5.31,20.45) P1.7 5.31,23.59 7.17,25.45 v1(7.17,26.2)
/SD_D1: length 45.8
  Top w0.2: v1(4.17,15.7) 4.17,20.4
  Top w0.3: v1(4.92,24.7) 32.17,24.7 v1(32.67,24.2)
  Bottom w0.2: 4.17,20.4 v1(4.21,20.45) ; R7.2 v1(4.17,15.7)
  Bottom w0.3: v1(32.67,24.2) 33.5,23.37 A1.4 ; v1(4.21,20.45) P1.8 4.21,23.99 v1(4.92,24.7)
/SD_D2: length 26.7
  Top w0.3: v1(14.42,15.45) 14.67,15.2 v1(30.42,15.2)
  Bottom w0.3: v1(30.42,15.2) 30.96,15.74 A1.3 ; v1(14.42,15.45) 14.42,18.2 14.09,18.52 R11.2 12.42,18.77 12.42,21.5 P1.1
/SD_D3: length 27.9
  Top w0.3: v1(28.42,22.7) 27.92,23.2 v1(12.17,23.2)
  Bottom w0.3: v1(28.42,22.7) A1.2 ; R10.2 10.81,18.8 P1.2 10.81,22.59 11.42,23.2 v1(12.17,23.2)
/SD_IN_SPI: length 106.5
  Top w0.2: v1(65.17,35.25) 65.12,35.25 63.67,33.8 63.67,33.7 v1(54.92,33.7)
  Top w0.3: v1(46.71,27.44) 46.71,21.76 A1.11 ; J8.8 88.9,36.18 88.17,35.45 v1(67.92,35.45) ; v1(46.67,30.7) 52.92,30.7 53.42,31.2 54.67,31.2 v1(54.92,31.45)
  Bottom w0.3: v1(65.17,35.25) 67.72,35.25 v1(67.92,35.45) ; v1(46.67,30.7) 46.71,30.66 v1(46.71,27.44) ; v1(54.92,31.45) v1(54.92,33.7)
/TAC_SHIFT_L: length 188.2
  Top w0.3: TAC_SHIFT_L1.2 22.17,95.02 22.17,82.7 26.67,78.2 63.67,78.2 65.17,76.7 v1(65.17,38.2) ; v1(96.17,25.2) 95.92,25.45 70.42,25.45 70.17,25.7 v1(70.17,29.95) ; v1(82.92,20.7) 83.67,21.45 95.92,21.45 v1(96.42,21.95) ; A1.23 69.06,8.09 69.67,8.7 78.17,8.7 v1(82.92,13.45)
  Bottom w0.3: v1(96.17,25.2) 96.42,24.95 v1(96.42,21.95) ; v1(70.17,29.95) 70.17,36.95 69.17,37.95 65.42,37.95 v1(65.17,38.2) ; v1(82.92,13.45) v1(82.92,20.7)
/TAC_SHIFT_R: length 190.7
  Top w0.3: v1(139.17,32.45) 151.67,32.45 152.92,33.7 152.92,84.27 TAC_SHIFT_R1.2 ; v1(45.92,27.55) 45.92,20.01 A1.10 ; v1(135.92,32.45) 120.17,32.45 118.67,30.95 68.17,30.95 v1(67.92,30.7) ; v1(45.92,29.95) 52.92,29.95 53.67,30.7 v1(65.17,30.7)
  Bottom w0.3: v1(135.92,32.45) v1(139.17,32.45) ; v1(65.17,30.7) v1(67.92,30.7) ; v1(45.92,27.55) v1(45.92,29.95)
/TAC_SWITCH_1: length 69.3
  Top w0.2: TAC_SWITCH_1.4 TAC_SWITCH_1.1
  Top w0.3: v1(31.67,7.95) 21.42,7.95 20.42,8.95 v1(20.42,14.2) ; TAC_SWITCH_1.1 20.92,30.95 v1(20.42,30.45)
  Bottom w0.3: v1(20.42,14.2) v1(20.42,30.45) ; v1(31.67,7.95) 35.12,7.95 A1.34
/TAC_SWITCH_2: length 117.4
  Top w0.2: TAC_SWITCH_2.4 TAC_SWITCH_2.1 119.92,30.95 119.42,30.45 119.42,16.7 118.92,16.2 v1(105.42,16.2) ; A1.35 38.58,13.11 39.17,13.7 v1(76.42,13.7) ; v1(102.42,16.2) 101.87,15.65 76.97,15.65 v1(76.42,16.2)
  Bottom w0.2: v1(76.42,16.2) v1(76.42,13.7) ; v1(105.42,16.2) v1(102.42,16.2)
/USART1_RX: length 112.6
  Top w0.3: v1(114.42,22.95) 117.92,26.45 v1(117.92,30.2) ; v1(120.67,70.2) 120.67,66.95 117.92,64.2 v1(117.92,38.2) ; v1(117.92,31.95) v1(117.92,35.45) ; A1.15 63.7,19.45 v1(64.67,19.45) ; v1(64.67,20.7) 64.67,22.2 66.17,23.7 v1(102.32,23.7) ; v1(106.92,22.95) v1(112.92,22.95)
  Bottom w0.3: v1(106.92,22.95) 106.17,23.7 v1(102.32,23.7) ; U1.4 118.24,73.12 R6.1 120.17,70.7 v1(120.67,70.2) ; v1(112.92,22.95) v1(114.42,22.95) ; v1(117.92,35.45) v1(117.92,38.2) ; v1(117.92,30.2) v1(117.92,31.95) ; v1(64.67,19.45) v1(64.67,20.7)
/USART1_TX: length 131.4
  Top w0.1: v1(107.42,23.7) 107.77,23.35 112.32,23.35 v1(112.92,23.95)
  Top w0.3: A1.14 61.16,19.45 v1(62.67,19.45) ; v1(113.17,64.95) v1(113.17,86.45) ; v1(101.92,24.45) 65.92,24.45 62.67,21.2 v1(62.67,20.7) ; v1(116.92,65.45) 117.12,65.25 v1(117.12,38.2) ; v1(117.12,30.2) 117.17,30.15 117.17,26.7 v1(114.42,23.95) ; v1(117.12,35.45) 117.16,35.41 v1(117.16,31.7)
  Bottom w0.3: v1(117.12,30.2) 117.12,31.66 v1(117.16,31.7) ; v1(101.92,24.45) 106.67,24.45 v1(107.42,23.7) ; v1(112.92,23.95) v1(114.42,23.95) ; v1(62.67,19.45) v1(62.67,20.7) ; v1(113.17,86.45) 113.17,86.7 112.87,87 R1.1 ; v1(116.92,65.45) 116.67,65.7 113.67,65.7 113.17,65.2 v1(113.17,64.95) ; v1(117.12,35.45) v1(117.12,38.2)
/USB_IN_MCU_N: length 130.6
  Top w0.3: v1(10.92,57.7) 19.42,49.2 v1(19.42,43.95) ; v1(10.92,91.2) 11.42,91.7 v1(21.17,91.7) ; A1.36 30.79,7.2 19.92,7.2 19.42,7.7 v1(19.42,14.2) ; v1(32.42,87.45) 28.42,91.45 24.17,91.45 v1(23.92,91.7) ; v1(19.42,27.95) v1(19.42,40.95) ; v1(10.92,59.95) v1(10.92,88.95)
  Bottom w0.1: U2.6 32.82,87.05 v1(32.42,87.45)
  Bottom w0.3: v1(10.92,88.95) v1(10.92,91.2) ; v1(23.92,91.7) v1(21.17,91.7) ; v1(10.92,57.7) v1(10.92,59.95) ; v1(19.42,14.2) v1(19.42,27.95) ; v1(19.42,40.95) v1(19.42,43.95)
/USB_IN_MCU_P: length 130.2
  Top w0.3: A1.37 29,6.45 19.42,6.45 18.42,7.45 v1(18.42,14.2) ; v1(31.17,85.7) 30.92,85.95 30.92,88.2 28.67,90.45 v1(23.92,90.45) ; v1(21.42,90.45) 10.42,90.45 9.67,89.7 v1(9.67,60.2) ; v1(18.42,27.95) v1(18.42,39.95) ; v1(18.42,43.7) 18.42,48.7 v1(9.67,57.45)
  Bottom w0.3: v1(31.17,85.7) 31.46,85.41 U2.4 ; v1(18.42,39.95) v1(18.42,43.7) ; v1(23.92,90.45) v1(21.42,90.45) 21.49,90.37 ; v1(9.67,57.45) v1(9.67,60.2) ; v1(18.42,14.2) v1(18.42,27.95)
/USB_IN_N: length 14.2
  Top w0.2: v1(34.12,92.2) 34.12,88 v1(34.17,87.95)
  Bottom w0.1: v1(34.12,92.2) 34.17,92.2 33.42,92.95 P2.B7
  Bottom w0.3: P2.B7 33.42,96.95 33.67,97.2 34.17,97.2 34.42,96.95 P2.A7 ; v1(34.17,87.95) 34.52,87.6 U2.1
/USB_IN_P: length 16
  Top w0.2: v1(34.67,93.2) 34.92,92.95 34.92,88.34 v1(34.88,88.31)
  Top w0.3: v1(35.92,86.95) 35.92,85.7 36.42,85.2 v1(36.42,84.7)
  Bottom w0.3: U2.3 34.52,84.85 34.67,84.7 v1(36.42,84.7) ; v1(34.88,88.31) 34.88,87.98 v1(35.92,86.95) ; P2.A6 33.92,93.45 34.17,93.2 v1(34.67,93.2) 34.92,93.45 P2.B6
AUDIO_IN_L: length 140.7
  Top w0.3: v1(105.92,22.7) 106.42,22.2 113.42,22.2 113.67,22.45 v1(113.67,30.2) ; v1(65.67,20.7) 65.67,22.2 66.17,22.7 v1(102.17,22.7) ; 95.77,92.3 97.87,90.2 112.92,90.2 114.17,88.95 v1(114.17,37.95) ; v1(114.17,31.7) v1(114.17,35.55) ; v1(65.67,19.45) 65.67,18.88 A1.16
  Bottom w0.3: v1(114.17,35.55) v1(114.17,37.95) ; v1(65.67,19.45) v1(65.67,20.7) ; v1(102.17,22.7) v1(105.92,22.7) ; v1(114.17,31.7) 114.17,30.7 v1(113.67,30.2)
AUDIO_MIC_IN_R: length 53
  Top w0.2: A1.17 66.52,18.55 67.17,19.2 102.67,19.2 103.92,17.95 v1(103.92,5.95)
  Bottom w0.2: v1(103.92,5.95) 103.92,5.22 C12.2
AUDIO_OUT_L: length 205.5
  Top w0.3: A1.18 69.06,15.06 69.42,14.7 101.91,14.7 v1(102.17,14.44) ; 80.82,92.3 83.47,94.95 134.17,94.95 136.92,92.2 v1(136.92,23.7) ; Headphones1.1 135.17,15.2 134.42,14.45 v1(106.17,14.45)
  Bottom w0.3: v1(102.17,14.44) 106.16,14.44 v1(106.17,14.45) ; v1(136.92,23.7) 136.92,16.95 136.17,16.2 Headphones1.1
AUDIO_OUT_R: length 227.5
  Top w0.3: v1(137.92,24.95) 137.92,63.95 141.17,67.2 141.17,72.45 137.92,75.7 137.92,92.2 133.92,96.2 71.42,96.2 70.82,95.6 70.82,92.3 ; v1(105.17,15.2) 105.17,14.2 105.67,13.7 137.67,13.7 137.92,13.95 137.92,17.95 137.17,18.7 Headphones1.4 ; v1(102.42,15.2) 72.17,15.2 71.6,15.77 A1.19
  Bottom w0.3: v1(137.92,24.95) 135.67,24.95 135.17,24.45 Headphones1.4 ; v1(105.17,15.2) 104.92,15.45 102.67,15.45 v1(102.42,15.2)
HEADPHONE_OUT_L: length 12.1
  Bottom w0.3: C6.2 144.47,16.25 R22.1 144.52,15.85 144.42,15.75 J7.T
HEADPHONE_OUT_R: length 12.1
  Bottom w0.3: C7.2 154.42,16.27 R23.2 154.34,16.02 154.42,15.95 J7.R
Net-(C2-Pad1): length 14.6
  Bottom w0.3: C2.1 132.42,10.45 132.67,10.7 Headphones1.2
Net-(C2-Pad2): length 5.6
  Top w0.2: v1(117.92,10.45) v1(121.17,10.45)
  Bottom w0.2: R12.1 117.9,10.43 v1(117.92,10.45) ; v1(121.17,10.45) C2.2
Net-(C3-Pad1): length 42.8
  Top w0.3: v1(139.42,22.45) v1(132.92,22.45) ; v1(124.42,7.2) 139.92,7.2 v1(140.17,7.45)
  Bottom w0.3: Headphones1.5 132.67,22.2 v1(132.92,22.45) ; C3.1 124.19,6.97 v1(124.42,7.2) ; v1(139.42,22.45) 140.17,21.7 v1(140.17,7.45)
Net-(C3-Pad2): length 1.6
  Bottom w0.2: R13.1 125.74,4.46 C3.2
Net-(C17-Pad1): length 23.3
  Bottom w0.5: 36.24,57.87 36.34,57.97 C17.1 ; C17.1 36.37,62 32.92,65.45 32.42,65.45 31.92,65.95 R29.2 ; C17.1 37.92,57.95 40.67,55.2 43.42,55.2 43.97,54.65 R30.1
Net-(C19-Pad1): length 26.6
  Bottom w0.2: R29.1 37.22,63.65 38.42,62.45 FB6.2
  Bottom w0.5: R31.1 48.37,56.1 C19.1 40.42,58.2 39.84,58.77 FB6.2
Net-(C20-Pad1): length 8
  Bottom w0.2: C20.1 R31.2 R32.1
Net-(D1-A): length 17.4
  Bottom w0.3: U1.2 129.15,75.47 129.17,75.45 130.42,76.7 130.42,83.2 128.85,84.77 D1.2 127.55,84.8 R3.2
Net-(D1-K): length 7
  Bottom w0.3: U1.1 125.44,77.84 R5.2 125.42,81.15 D1.1
Net-(D2-A): length 13.9
  Bottom w0.5: J1.1 J1.1 54.82,85.85 D2.2 54.87,85.7 D5.1
Net-(D2-K): length 12
  Bottom w0.5: D2.1 54.92,82.45 54.42,81.95 D3.1 53.22,74.71 FB3.1 C14.1
Net-(D3-A): length 10.7
  Bottom w0.5: D4.1 51.12,78.05 D3.2 50.16,81.95 SW1.2
Net-(D6-A): length 12.3
  Bottom w0.5: D6.2 45.19,62.47 C16.1 45.19,70.12 C15.1 45.13,70.21 FB5.2
Net-(D6-K): length 1.7
  Bottom w0.5: D6.1 FB6.1
Net-(FB3-Pad2): length 1.7
  Bottom w0.5: FB3.2 FB4.1
Net-(FB4-Pad2): length 1.7
  Bottom w0.5: FB4.2 FB5.1
Net-(J3-PadR): length 43.6
  Bottom w0.3: R4.2 112.37,69.9 113.42,70.95 114.17,70.95 114.67,71.45 114.67,94.2 114.17,94.7 101.42,94.7 100.92,94.2 J3.R
Net-(J3-PadT): length 3.8
  Bottom w0.3: J3.T 110.99,92.38 R1.2
Net-(LED1-AB): length 15.7
  Top w0.2: v1(55.92,22.7) 55.02,23.6 LED1.5
  Bottom w0.2: Q3.3 64.54,27.82 59.42,22.7 v1(55.92,22.7)
Net-(LED1-AG): length 14
  Top w0.2: LED1.3 53.67,25.95 v1(53.17,26.45)
  Bottom w0.2: v1(53.17,26.45) 53.17,36.77 Q2.3
Net-(LED1-AR): length 21.3
  Top w0.2: v1(51.92,35.2) 49.67,37.45 v1(44.92,37.45) ; v1(51.92,27.2) 52.17,27.2 52.62,27.65 LED1.1
  Bottom w0.2: v1(44.92,37.45) Q1.3 ; v1(51.92,35.2) v1(51.92,27.2)
Net-(LED1-KB): length 10
  Top w0.5: v1(57.92,24.45) 59.62,24.45 LED1.6
  Bottom w0.5: v1(57.92,24.45) 57.92,30.2 56.74,31.37 R25.1
Net-(LED1-KR-Pad2): length 7.3
  Top w0.5: LED1.2 63.12,27.65 v1(63.17,27.7)
  Bottom w0.5: R21.1 63.67,28.2 v1(63.17,27.7)
Net-(LED1-KR-Pad4): length 8.8
  Top w0.5: LED1.4 61.67,25.95 v1(61.92,26.2)
  Bottom w0.5: v1(61.92,26.2) 61.92,30.45 60.99,31.37 R24.1
Net-(LED2-AB): length 38.8
  Top w0.2: v1(77.92,29.7) 98.92,29.7 99.42,29.2 v1(99.42,25.45) ; v1(99.67,21.7) 104.17,21.7 105.03,22.56 LED2.5
  Bottom w0.2: v1(77.92,29.7) 77.62,30 Q6.3 ; v1(99.67,21.7) 99.42,21.95 v1(99.42,25.45)
Net-(LED2-AG): length 31
  Top w0.2: v1(102.67,26.45) 103.12,26 LED2.3
  Bottom w0.2: v1(102.67,26.45) 95.42,26.45 94.67,27.2 94.67,33.2 93.47,34.4 Q5.3
Net-(LED2-AR): length 31.7
  Top w0.2: v1(102.67,27.7) LED2.1
  Bottom w0.2: v1(102.67,27.7) 96.17,27.7 95.92,27.95 95.92,33.45 94.17,35.2 84.67,35.2 84.11,35.76 Q4.3
Net-(LED2-KB): length 9.5
  Top w0.5: v1(107.92,24.7) 108.17,24.7 108.57,24.3 LED2.6
  Bottom w0.5: R28.1 106.99,31.12 107.92,30.2 v1(107.92,24.7)
Net-(LED2-KR-Pad2): length 6.2
  Top w0.5: LED2.2 112.42,27.7 v1(112.67,27.95)
  Bottom w0.5: R26.1 112.92,28.2 v1(112.67,27.95)
Net-(LED2-KR-Pad4): length 9.1
  Top w0.5: LED2.4 109.88,25.95 111.42,25.95 v1(111.92,26.45)
  Bottom w0.5: v1(111.92,26.45) 111.92,29.95 110.74,31.12 R27.1
Net-(P2-CC1): length 3.7
  Bottom w0.3: P2.A5 R16.1
Net-(P2-CC2): length 3.5
  Bottom w0.3: P2.B5 R17.1
Net-(Q1-B): length 42.7
  Top w0.2: v1(49.47,27.45) 49.42,27.4 49.42,23.7 53.42,19.7 54.92,19.7 55.67,18.95 59.67,18.95 61.92,21.2 v1(61.92,21.7)
  Bottom w0.2: Q1.1 48.12,36.5 49.47,35.15 v1(49.47,27.45) ; v1(61.92,21.7) 61.99,21.77 R37.2
Net-(Q2-B): length 36.3
  Top w0.2: v1(50.42,27.2) 50.42,23.95 53.92,20.45 55.17,20.45 55.67,19.95 58.92,19.95 62.67,23.7 v1(64.17,23.7)
  Bottom w0.2: R36.2 70.34,23.7 v1(64.17,23.7) ; Q2.1 50.18,34.44 50.42,34.2 v1(50.42,27.2)
Net-(Q3-B): length 4.1
  Bottom w0.2: R35.2 Q3.1
Net-(Q4-B): length 23.8
  Top w0.2: v1(75.92,38.45) 76.42,38.95 v1(80.17,38.95) ; v1(77.42,32.2) 77.67,31.95 v1(80.42,31.95)
  Bottom w0.2: v1(75.92,38.45) 75.92,33.7 v1(77.42,32.2) ; v1(80.17,38.95) 80.22,39 Q4.1 ; v1(80.42,31.95) 80.42,27.95 78.92,26.45 R40.2
Net-(Q5-B): length 9.1
  Bottom w0.2: Q5.1 79.17,28.2 76.92,25.95 R39.2
Net-(Q6-B): length 4.2
  Bottom w0.2: Q6.1 74.92,28.3 R38.2
Net-(R2-Pad2): length 6.2
  Bottom w0.3: R2.2 117.58,81.13 R5.1
Net-(SW1-A): length 26.1
  Top w0.5: v1(65.17,94.95) 46.92,94.95 v1(46.42,94.45)
  Bottom w0.5: v1(65.17,94.95) 65.82,95.6 J1.2 ; v1(46.42,94.45) 46.14,94.17 SW1.1
Net-(U3-BYPASS): length 4.1
  Bottom w0.2: C4.1 122.14,4.96 U3.1
Net-(U3-IN1-): length 8.3
  Bottom w0.2: R12.2 114.92,6.53 R14.1 117.59,6.52 117.91,6.21 U3.8
Net-(U3-IN2-): length 3.4
  Bottom w0.2: R13.2 R15.1 124.09,2.94 U3.4
Net-(U3-VO1): length 57.1
  Top w0.3: v1(149.92,13.45) 149.67,13.2 115.67,13.2 v1(114.67,12.2)
  Bottom w0.3: v1(114.67,12.2) 114.17,12.2 113.67,11.7 113.67,5.7 114.49,4.87 R14.2 115.55,4.24 U3.7 ; C6.1 149.87,13.5 v1(149.92,13.45)
Net-(U3-VO2): length 65
  Bottom w0.3: C7.1 159.82,3.35 157.39,0.93 127.77,0.93 R15.2 125.74,2.27 125.17,1.7 118.42,1.7 117.91,2.21 U3.5
Net-(U4-BIAS): length 2.4
  Bottom w0.1: U4.12 97.28,7.82 C10.2
Net-(U4-CG): length 4.1
  Bottom w0.1: C9.2 105.83,7.82 U4.3
Net-(U4-CT): length 6.4
  Bottom w0.1: C8.2 102.92,9.7 102.6,9.38 U4.1
Net-(U4-MICBIAS): length 6.7
  Bottom w0.1: R19.1 95.76,9.71 R20.2 97.67,9.7 98.17,9.2 98.17,8.45 98.42,8.2 99.63,8.2 U4.13
Net-(U4-MICIN): length 4
  Top w0.1: v1(97.17,6.2) v1(98.72,6.2)
  Bottom w0.1: v1(98.72,6.2) 99.63,6.2 U4.8 ; v1(97.17,6.2) 97.16,6.21 C11.2
Net-(U4-MICOUT): length 4
  Bottom w0.1: U4.6 104.5,6.62 104.94,6.17 C12.1
Net-(U4-TH): length 6
  Bottom w0.1: R18.2 97.38,11.45 R19.2 97.41,10.21 97.62,10 97.79,10 98.47,9.32 98.47,8.7 98.55,8.62 U4.14
Net-(U4-VDD): length 11.9
  Top w0.1: v1(104.92,7.2) v1(104.92,8.95)
  Bottom w0.1: U4.5 104.74,7.02 v1(104.92,7.2) ; U4.2 104.92,8.22 ; 104.92,8.22 108.13,8.22 C13.2 108.17,8.17 FB2.2 ; 104.92,8.22 v1(104.92,8.95)
Net-(U6-EN): length 7.2
  Bottom w0.2: C25.1 FB7.2 107.6,38.75 U6.2 U6.3
Net-(U6-PG): length 14.4
  Top w0.2: v1(103.42,43.2) 102.67,42.45 102.67,41.95 102.92,41.7 109.67,41.7 109.92,41.45 v1(110.42,41.45)
  Bottom w0.2: v1(110.42,41.45) 110.42,40.95 110.16,40.69 U6.8 ; R33.1 v1(103.42,43.2)
Net-(U6-SW): length 4.7
  Bottom w0.2: L1.1 109.48,41.95 107.93,41.95 107.56,41.57 U6.7

## Copper pours and planes (outline as drawn; the poured copper is in the pictures)
GND on Top, Bottom: -11.33,-20.55 182.42,-18.05 175.67,110.45 -11.33,107.7

## Text on the board
B.Silkscreen: Designed by FJ Bourgeois | v4.1 | Stellar Crucible | Manifold
